# KiCad board PiEEG.kicad_pcb (continued)
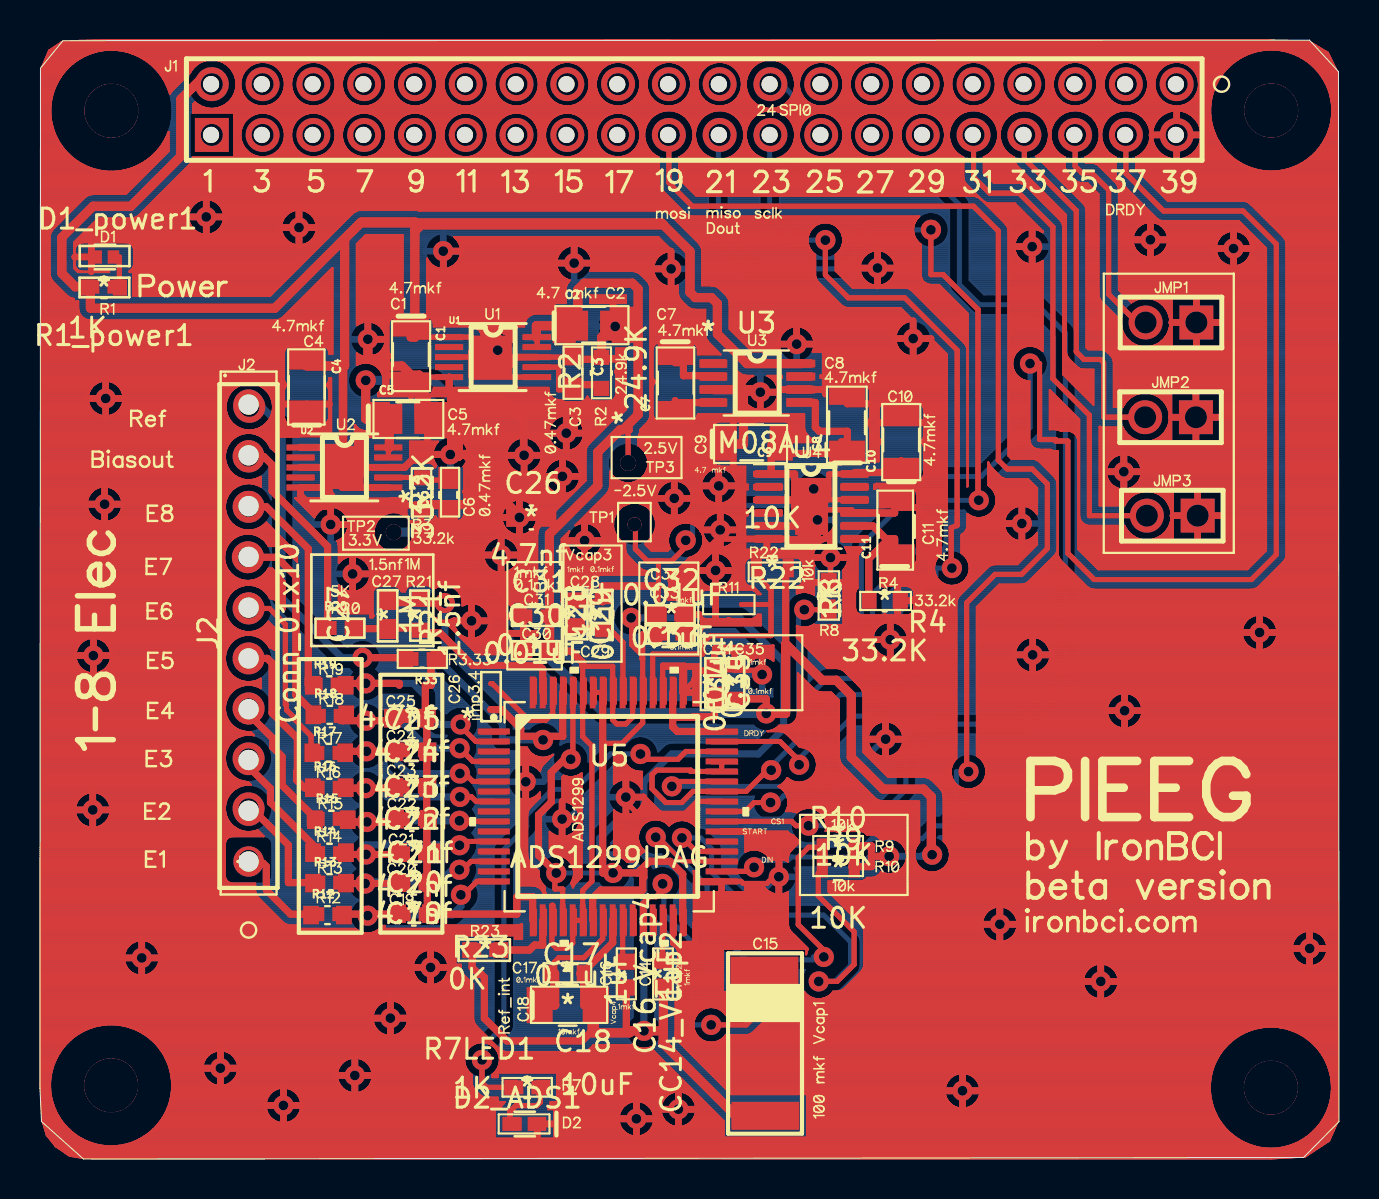
[diagram p0: board, top side]
## Routing (per net, layer and track width the routed paths; a pad name or vN(x,y) marks a point on that pad's centre or on a via; arc(x,y) is an arc through that point) (continued)
 ; 49.32,26.05 49.38,26.07 ; 49.32,26.05 49.38,26.07 ; 49.38,26.07 49.45,26.09 ; 49.38,26.07 49.45,26.09 ; 53.59,40.17 53.61,40.14 ; 53.59,40.17 53.61,40.14 ; 53.61,40.14 53.64,40.11 ; 53.61,40.14 53.64,40.11 ; 29.57,54.67 29.65,54.61 ; 29.57,54.67 29.49,54.73 ; 29.57,54.67 29.65,54.61 ; 29.57,54.67 29.49,54.73 ; 48.75,52.77 48.66,52.82 ; 48.75,52.77 48.66,52.82 ; 48.75,52.77 48.84,52.73 ; 48.75,52.77 48.84,52.73 ; 48.66,52.82 48.58,52.87 ; 48.66,52.82 48.58,52.87 ; 46.74,18.54 46.69,18.53 ; 46.74,18.54 46.69,18.53 ; 46.69,18.53 46.64,18.51 ; 46.69,18.53 46.64,18.51 ; 55.06,34.65 55.08,34.59 ; 55.06,34.65 55.08,34.59 ; 24.78,20.16 24.82,20.14 ; 24.78,20.16 24.82,20.14 ; 28.04,31.34 28.07,31.28 ; 28.04,31.34 28.07,31.28 ; 28.04,31.34 28,31.4 ; 28.04,31.34 28,31.4 ; 28.07,31.28 28.09,31.21 ; 28.07,31.28 28.09,31.21 ; 38.65,30.16 38.66,30.23 ; 38.65,30.16 38.66,30.23 ; 24.73,34.48 24.67,34.44 ; 24.73,34.48 24.67,34.44 ; 21.22,5.05 21.23,5.1 ; 21.22,5.05 21.23,5.1 ; 11.89,41.97 11.85,41.96 ; 11.89,41.97 11.85,41.96 ; 11.89,41.97 11.94,41.99 ; 11.89,41.97 11.94,41.99 ; 11.85,41.96 11.8,41.96 ; 11.85,41.96 11.8,41.96 ; 9.5,35.87 9.44,35.79 ; 9.5,35.87 9.44,35.79 ; 29.3,30.36 29.29,30.4 ; 29.3,30.36 29.31,30.32 ; 29.3,30.36 29.31,30.32 ; 29.3,30.36 29.29,30.4 ; 29.29,30.4 29.28,30.44 ; 29.29,30.4 29.28,30.44 ; 55.3,50.49 55.36,50.57 ; 55.3,50.49 55.36,50.57 ; 25.98,35.49 25.91,35.52 ; 25.98,35.49 26.04,35.47 ; 25.98,35.49 26.04,35.47 ; 25.98,35.49 25.91,35.52 ; 4.21,9.93 4.2,10 ; 4.21,9.93 4.2,10 ; 4.21,9.93 4.22,9.86 ; 4.21,9.93 4.22,9.86 ; 4.2,10 4.2,10.07 ; 4.2,10 4.2,10.07 ; 17.15,39.21 17.14,39.25 ; 17.15,39.21 17.14,39.25 ; 30.7,16.99 30.75,16.99 ; 30.7,16.99 30.75,16.99 ; 30.7,16.99 30.65,16.98 ; 30.7,16.99 30.65,16.98 ; 30.75,16.99 30.8,16.99 ; 30.75,16.99 30.8,16.99 ; 15.85,45.78 15.85,41.72 ; 15.85,45.78 16.29,46.22 ; 15.85,45.78 16.29,46.22 ; 15.85,45.78 15.85,41.72 ; 44.44,40.59 44.4,40.53 ; 44.44,40.59 44.4,40.53 ; 44.44,40.59 44.48,40.65 ; 44.44,40.59 44.48,40.65 ; 44.4,40.53 44.36,40.47 ; 44.4,40.53 44.36,40.47 ; 9.81,4.13 9.78,4.07 ; 9.81,4.13 9.84,4.19 ; 9.81,4.13 9.84,4.19 ; 9.81,4.13 9.78,4.07 ; 9.78,4.07 9.74,4.01 ; 9.78,4.07 9.74,4.01 ; 48,10.85 47.93,10.86 ; 48,10.85 48.07,10.86 ; 48,10.85 47.93,10.86 ; 48,10.85 48.07,10.86 ; 47.93,10.86 47.86,10.87 ; 47.93,10.86 47.86,10.87 ; 41.51,37.06 41.5,37.02 ; 41.51,37.06 41.51,37.1 ; 41.51,37.06 41.51,37.1 ; 41.51,37.06 41.5,37.02 ; 41.5,37.02 41.49,36.98 ; 41.5,37.02 41.49,36.98 ; 1.4,43.15 1.37,43.18 ; 1.4,43.15 1.44,43.12 ; 1.4,43.15 1.37,43.18 ; 1.4,43.15 1.44,43.12 ; 1.37,43.18 1.3,43.24 ; 1.37,43.18 1.3,43.24 ; 35.72,13.7 35.67,13.7 ; 35.72,13.7 35.77,13.7 ; 35.72,13.7 35.77,13.7 ; 35.72,13.7 35.67,13.7 ; 35.67,13.7 35.62,13.71 ; 35.67,13.7 35.62,13.71 ; 48.76,40.27 48.79,40.31 ; 48.76,40.27 48.74,40.23 ; 48.76,40.27 48.74,40.23 ; 48.76,40.27 48.79,40.31 ; 12.56,47.4 12.49,47.37 ; 12.56,47.4 12.49,47.37 ; 1.07,1.91 0.99,2.04 ; 1.07,1.91 0.99,2.04 ; 38.39,45.97 38.39,46.02 ; 38.39,45.97 38.39,46.02 ; 38.39,45.97 38.39,45.92 ; 38.39,45.97 38.39,45.92 ; 49.34,54.88 49.43,54.87 ; 49.34,54.88 49.24,54.89 ; 49.34,54.88 49.43,54.87 ; 49.34,54.88 49.24,54.89 ; 49.43,54.87 49.53,54.85 ; 49.43,54.87 49.53,54.85 ; 53.45,34.86 53.49,34.91 ; 53.45,34.86 53.42,34.79 ; 53.45,34.86 53.42,34.79 ; 53.45,34.86 53.49,34.91 ; 53.49,34.91 53.54,34.97 ; 53.49,34.91 53.54,34.97 ; 48.74,49.92 48.73,49.96 ; 48.74,49.92 48.73,49.96 ; 48.74,49.92 48.75,49.89 ; 48.74,49.92 48.75,49.89 ; 48.73,49.96 48.73,50 ; 48.73,49.96 48.73,50 ; 13.29,45.77 13.22,45.75 ; 13.29,45.77 13.35,45.8 ; 13.29,45.77 13.35,45.8 ; 13.29,45.77 13.22,45.75 ; 13.22,45.75 13.15,45.73 ; 13.22,45.75 13.15,45.73 ; 21.25,27.75 21.32,27.77 ; 21.25,27.75 21.32,27.77 ; 31.3,17.32 32.05,17.32 ; 31.3,17.32 32.05,17.32 ; 54.25,52.47 54.15,52.46 ; 54.25,52.47 54.15,52.46 ; 37.96,17.43 38.01,17.46 ; 37.96,17.43 37.92,17.4 ; 37.96,17.43 38.01,17.46 ; 37.96,17.43 37.92,17.4 ; 38.01,17.46 38.05,17.48 ; 38.01,17.46 38.05,17.48 ; 17.33,51.28 17.33,51.18 ; 17.33,51.28 17.32,51.38 ; 17.33,51.28 17.33,51.18 ; 17.33,51.28 17.32,51.38 ; 17.33,51.18 17.32,51.08 ; 17.33,51.18 17.32,51.08 ; 9.37,20.56 9.41,20.65 ; 9.37,20.56 9.33,20.47 ; 9.37,20.56 9.33,20.47 ; 9.37,20.56 9.41,20.65 ; 9.41,20.65 9.47,20.73 ; 9.41,20.65 9.47,20.73 ; 64.9,1.87 64.93,3.62 ; 64.9,1.87 64.48,0.92 ; 64.9,1.87 64.48,0.92 ; 64.9,1.87 64.93,3.62 ; 64.93,3.62 64.9,52.85 ; 64.93,3.62 64.9,52.85 ; 9.97,18.63 10.06,18.67 ; 9.97,18.63 9.88,18.59 ; 9.97,18.63 10.06,18.67 ; 9.97,18.63 9.88,18.59 ; 10.06,18.67 10.16,18.7 ; 10.06,18.67 10.16,18.7 ; 23.74,40.17 23.71,40.11 ; 23.74,40.17 23.71,40.11 ; 23.33,29.37 23.4,29.39 ; 23.33,29.37 23.4,29.39 ; 57.96,53.92 57.97,53.82 ; 57.96,53.92 57.97,53.82 ; 57.96,53.92 57.94,54.02 ; 57.96,53.92 57.94,54.02 ; 57.97,53.82 57.97,53.72 ; 57.97,53.82 57.97,53.72 ; 8.93,54.96 8.83,54.99 ; 8.93,54.96 8.83,54.99 ; 47.82,32.76 47.81,32.71 ; 47.82,32.76 47.81,32.71 ; 47.82,32.76 47.83,32.81 ; 47.82,32.76 47.83,32.81 ; 47.81,32.71 47.8,32.66 ; 47.81,32.71 47.8,32.66 ; 44.19,34.14 44.16,34.08 ; 44.19,34.14 44.21,34.19 ; 44.19,34.14 44.16,34.08 ; 44.19,34.14 44.21,34.19 ; 44.16,34.08 44.12,34.03 ; 44.16,34.08 44.12,34.03 ; 20.59,26.99 20.64,27.01 ; 20.59,26.99 20.64,27.01 ; 10.84,52.7 10.74,52.73 ; 10.84,52.7 10.74,52.73 ; 25.59,16.29 25.53,16.33 ; 25.59,16.29 25.53,16.33 ; 25.59,16.29 25.64,16.25 ; 25.59,16.29 25.64,16.25 ; 32.55,32.7 32.57,32.77 ; 32.55,32.7 32.57,32.77 ; 37.6,36.61 37.61,36.55 ; 37.6,36.61 37.58,36.67 ; 37.6,36.61 37.58,36.67 ; 37.6,36.61 37.61,36.55 ; 33.26,52.94 33.19,53 ; 33.26,52.94 33.34,52.87 ; 33.26,52.94 33.34,52.87 ; 33.26,52.94 33.19,53 ; 33.19,53 33.12,53.08 ; 33.19,53 33.12,53.08 ; 60.53,45.89 60.55,45.82 ; 60.53,45.89 60.5,45.95 ; 60.53,45.89 60.55,45.82 ; 60.53,45.89 60.5,45.95 ; 60.55,45.82 60.57,45.76 ; 60.55,45.82 60.57,45.76 ; 37.6,50.61 37.55,50.53 ; 37.6,50.61 37.55,50.53 ; 11.26,25.89 11.19,25.96 ; 11.26,25.89 11.19,25.96 ; 39.87,24.56 39.83,24.56 ; 39.87,24.56 39.83,24.56 ; 12.71,3.4 12.76,3.36 ; 12.71,3.4 12.76,3.36 ; 12.71,3.4 12.65,3.44 ; 12.71,3.4 12.65,3.44 ; 12.76,3.36 12.81,3.31 ; 12.76,3.36 12.81,3.31 ; 14.25,54.73 14.33,54.67 ; 14.25,54.73 14.33,54.67 ; 14.25,54.73 14.16,54.78 ; 14.25,54.73 14.16,54.78 ; 62.16,29.83 60.96,28.63 ; 62.16,29.83 60.96,28.63 ; 60.96,28.63 60.93,28.6 ; 60.96,28.63 60.93,28.6 ; 32.67,40.84 32.72,40.82 ; 32.67,40.84 32.72,40.82 ; 32.67,40.84 32.61,40.86 ; 32.67,40.84 32.61,40.86 ; 32.72,40.82 32.77,40.78 ; 32.72,40.82 32.77,40.78 ; 56.12,54.61 56.2,54.68 ; 56.12,54.61 56.2,54.68 ; 26.66,35.49 26.72,35.52 ; 26.66,35.49 26.72,35.52 ; 15.34,3.39 15.27,3.43 ; 15.34,3.39 15.4,3.36 ; 15.34,3.39 15.27,3.43 ; 15.34,3.39 15.4,3.36 ; 15.27,3.43 15.22,3.46 ; 15.27,3.43 15.22,3.46 ; 53.26,54.12 53.29,54.21 ; 53.26,54.12 53.29,54.21 ; 53.26,54.12 53.23,54.02 ; 53.26,54.12 53.23,54.02 ; 53.29,54.21 53.33,54.3 ; 53.29,54.21 53.33,54.3 ; 16.02,54.87 16.12,54.88 ; 16.02,54.87 16.12,54.88 ; 16.12,54.88 16.22,54.89 ; 16.12,54.88 16.22,54.89 ; 64.14,5.21 64.22,5.09 ; 64.14,5.21 64.22,5.09 ; 64.14,5.21 64.06,5.34 ; 64.14,5.21 64.06,5.34 ; 64.22,5.09 64.29,4.95 ; 64.22,5.09 64.29,4.95 ; 54.26,23.32 54.19,23.32 ; 54.26,23.32 54.19,23.32 ; 19.49,50.4 19.41,50.33 ; 19.49,50.4 19.56,50.46 ; 19.49,50.4 19.41,50.33 ; 19.49,50.4 19.56,50.46 ; 19.41,50.33 19.33,50.28 ; 19.41,50.33 19.33,50.28 ; 17.78,42.15 17.91,42.15 ; 17.78,42.15 17.91,42.15 ; 17.78,42.15 17.72,42.14 ; 17.78,42.15 17.72,42.14 ; 17.91,42.15 18.14,42.15 ; 17.91,42.15 18.14,42.15 ; 23.12,2.71 23.18,2.78 ; 23.12,2.71 23.18,2.78 ; 30.55,5.59 30.51,5.57 ; 30.55,5.59 30.59,5.6 ; 30.55,5.59 30.51,5.57 ; 30.55,5.59 30.59,5.6 ; 30.51,5.57 30.46,5.55 ; 30.51,5.57 30.46,5.55 ; 38.2,54.47 38.15,54.39 ; 38.2,54.47 38.15,54.39 ; 8.39,48.02 8.32,48.02 ; 8.39,48.02 8.32,48.02 ; 36.53,25.03 36.59,25 ; 36.53,25.03 36.59,25 ; 18.25,7.57 18.29,7.51 ; 18.25,7.57 18.29,7.51 ; 34.8,53 34.87,53.08 ; 34.8,53 34.87,53.08 ; 22.03,50.4 21.95,50.33 ; 22.03,50.4 22.1,50.46 ; 22.03,50.4 22.1,50.46 ; 22.03,50.4 21.95,50.33 ; 21.95,50.33 21.87,50.28 ; 21.95,50.33 21.87,50.28 ; 31.91,10.33 31.91,9.4 ; 31.91,10.33 31.91,9.4 ; 31.91,9.4 31.9,9.35 ; 31.91,9.4 31.9,9.35 ; 50.9,54.47 50.97,54.54 ; 50.9,54.47 50.97,54.54 ; 50.97,54.54 51.04,54.61 ; 50.97,54.54 51.04,54.61 ; 38.36,20.53 38.4,20.51 ; 38.36,20.53 38.4,20.51 ; 21.22,32.22 21.21,32.18 ; 21.22,32.22 21.21,32.18 ; 21.22,32.22 21.22,32.26 ; 21.22,32.22 21.22,32.26 ; 38.36,18.92 38.31,18.9 ; 38.36,18.92 38.4,18.94 ; 38.36,18.92 38.31,18.9 ; 38.36,18.92 38.4,18.94 ; 38.31,18.9 38.27,18.88 ; 38.31,18.9 38.27,18.88 ; 24.69,19.67 24.75,19.64 ; 24.69,19.67 24.63,19.7 ; 24.69,19.67 24.63,19.7 ; 24.69,19.67 24.75,19.64 ; 60.24,25.88 60.2,25.94 ; 60.24,25.88 60.28,25.82 ; 60.24,25.88 60.28,25.82 ; 60.24,25.88 60.2,25.94 ; 30.99,40.87 31.12,40.87 ; 30.99,40.87 31.12,40.87 ; 31.12,40.87 32.55,40.87 ; 31.12,40.87 32.55,40.87 ; 49.58,31.03 49.52,31 ; 49.58,31.03 49.64,31.07 ; 49.58,31.03 49.52,31 ; 49.58,31.03 49.64,31.07 ; 49.52,31 49.45,30.97 ; 49.52,31 49.45,30.97 ; 11.46,38.28 11.51,38.2 ; 11.46,38.28 11.51,38.2 ; 11.46,38.28 11.4,38.36 ; 11.46,38.28 11.4,38.36 ; 11.51,38.2 11.55,38.11 ; 11.51,38.2 11.55,38.11 ; 49.93,50.21 49.85,50.16 ; 49.93,50.21 49.85,50.16 ; 49.85,50.16 49.84,50.16 ; 49.85,50.16 49.84,50.16 ; 31.41,31.05 31.42,31.1 ; 31.41,31.05 31.42,31.1 ; 31.42,31.1 31.43,31.15 ; 31.42,31.1 31.43,31.15 ; 33.38,28.66 33.44,28.63 ; 33.38,28.66 33.44,28.63 ; 10.26,53.08 10.21,53.16 ; 10.26,53.08 10.21,53.16 ; 10.26,53.08 10.33,53 ; 10.26,53.08 10.33,53 ; 10.21,53.16 10.15,53.25 ; 10.21,53.16 10.15,53.25 ; 19.33,54.73 19.41,54.67 ; 19.33,54.73 19.24,54.78 ; 19.33,54.73 19.24,54.78 ; 19.33,54.73 19.41,54.67 ; 19.41,54.67 19.49,54.61 ; 19.41,54.67 19.49,54.61 ; 47.68,50.49 47.62,50.41 ; 47.68,50.49 47.62,50.41 ; 47.68,50.49 47.74,50.57 ; 47.68,50.49 47.74,50.57 ; 47.62,50.41 47.55,50.34 ; 47.62,50.41 47.55,50.34 ; 64.4,10.53 64.4,10.52 ; 64.4,10.53 64.4,10.52 ; 64.4,10.52 64.39,10.45 ; 64.4,10.52 64.39,10.45 ; 12.12,50.71 12.07,50.62 ; 12.12,50.71 12.16,50.8 ; 12.12,50.71 12.16,50.8 ; 12.12,50.71 12.07,50.62 ; 12.07,50.62 12.01,50.54 ; 12.07,50.62 12.01,50.54 ; 25.49,38.25 25.47,38.29 ; 25.49,38.25 25.51,38.22 ; 25.49,38.25 25.47,38.29 ; 25.49,38.25 25.51,38.22 ; 25.47,38.29 25.46,38.32 ; 25.47,38.29 25.46,38.32 ; 50.88,30.42 50.87,30.38 ; 50.88,30.42 50.89,30.46 ; 50.88,30.42 50.89,30.46 ; 50.88,30.42 50.87,30.38 ; 50.87,30.38 50.86,30.34 ; 50.87,30.38 50.86,30.34 ; 30.22,51.21 30.22,51.31 ; 30.22,51.21 30.23,51.11 ; 30.22,51.21 30.23,51.11 ; 30.22,51.21 30.22,51.31 ; 30.22,51.31 30.23,51.41 ; 30.22,51.31 30.23,51.41 ; 31.49,28.58 31.48,28.54 ; 31.49,28.58 31.48,28.54 ; 51.36,40.19 51.35,40.23 ; 51.36,40.19 51.38,40.15 ; 51.36,40.19 51.38,40.15 ; 51.36,40.19 51.35,40.23 ; 51.35,40.23 51.33,40.27 ; 51.35,40.23 51.33,40.27 ; 53.33,54.3 53.39,54.39 ; 53.33,54.3 53.39,54.39 ; 62.35,45.81 62.35,45.72 ; 62.35,45.81 62.35,45.72 ; 62.35,45.81 62.34,45.85 ; 62.35,45.81 62.34,45.85 ; 4.12,32.76 4.12,32.75 ; 4.12,32.76 4.12,32.75 ; 4.12,32.76 4.12,32.83 ; 4.12,32.76 4.12,32.83 ; 25.05,19.56 25.07,19.6 ; 25.05,19.56 25.07,19.6 ; 18.28,6.57 18.24,6.52 ; 18.28,6.57 18.32,6.63 ; 18.28,6.57 18.32,6.63 ; 18.28,6.57 18.24,6.52 ; 11.29,36.78 11.22,36.71 ; 11.29,36.78 11.22,36.71 ; 11.22,36.71 11.14,36.65 ; 11.22,36.71 11.14,36.65 ; 42.59,25.09 42.66,25.1 ; 42.59,25.09 42.66,25.1 ; 62.78,10.02 62.82,9.96 ; 62.78,10.02 62.82,9.96 ; 29.25,14.98 29.22,15.01 ; 29.25,14.98 29.22,15.01 ; 15.39,28.41 15.32,28.44 ; 15.39,28.41 15.46,28.4 ; 15.39,28.41 15.32,28.44 ; 15.39,28.41 15.46,28.4 ; 15.32,28.44 15.26,28.46 ; 15.32,28.44 15.26,28.46 ; 49.14,38.99 49.09,39.02 ; 49.14,38.99 49.18,38.97 ; 49.14,38.99 49.18,38.97 ; 49.14,38.99 49.09,39.02 ; 26.34,43.73 26.36,43.77 ; 26.34,43.73 26.36,43.77 ; 26.36,43.77 26.38,43.82 ; 26.36,43.77 26.38,43.82 ; 11.79,50.33 11.71,50.28 ; 11.79,50.33 11.71,50.28 ; 11.79,50.33 11.87,50.4 ; 11.79,50.33 11.87,50.4 ; 42.33,14.27 42.28,14.28 ; 42.33,14.27 42.28,14.28 ; 33.64,35 33.64,35.12 ; 33.64,35 33.64,35.12 ; 33.64,35 33.65,34.96 ; 33.64,35 33.65,34.96 ; 33.64,35.12 33.64,35.62 33.64,35.12 ; 47.3,32.13 47.25,32.12 ; 47.3,32.13 47.25,32.12 ; 47.3,32.13 47.34,32.16 ; 47.3,32.13 47.34,32.16 ; 22.9,2.85 22.9,3.07 ; 22.9,2.85 22.9,3.07 ; 22.9,2.85 23.25,2.85 ; 22.9,2.85 23.25,2.85 ; 22.9,3.07 22.34,3.07 ; 22.9,3.07 22.34,3.07 ; 43.39,41.89 43.45,41.91 ; 43.39,41.89 43.32,41.87 ; 43.39,41.89 43.45,41.91 ; 43.39,41.89 43.32,41.87 ; 43.45,41.91 43.52,41.93 ; 43.45,41.91 43.52,41.93 ; 36.19,15.35 36.23,15.32 ; 36.19,15.35 36.15,15.38 ; 36.19,15.35 36.15,15.38 ; 36.19,15.35 36.23,15.32 ; 36.23,15.32 36.27,15.29 ; 36.23,15.32 36.27,15.29 ; 55.84,38.21 55.93,38.16 ; 55.84,38.21 55.75,38.25 ; 55.84,38.21 55.93,38.16 ; 55.84,38.21 55.75,38.25 ; 55.93,38.16 56.01,38.1 ; 55.93,38.16 56.01,38.1 ; 15.74,35.51 15.74,35.47 ; 15.74,35.51 15.75,35.55 ; 15.74,35.51 15.74,35.47 ; 15.74,35.51 15.75,35.55 ; 15.74,35.47 15.72,35.42 ; 15.74,35.47 15.72,35.42 ; 20.86,31.91 20.9,31.91 ; 20.86,31.91 20.9,31.91 ; 14.12,40.71 14.18,40.7 ; 14.12,40.71 14.18,40.7 ; 38.17,20.6 38.22,20.58 ; 38.17,20.6 38.22,20.58 ; 48.99,46.27 49.04,46.32 ; 48.99,46.27 48.94,46.22 ; 48.99,46.27 49.04,46.32 ; 48.99,46.27 48.94,46.22 ; 49.04,46.32 49.09,46.36 ; 49.04,46.32 49.09,46.36 ; 58.83,45.35 58.82,45.42 ; 58.83,45.35 58.85,45.28 ; 58.83,45.35 58.85,45.28 ; 58.83,45.35 58.82,45.42 ; 49.23,48.76 49.27,48.73 ; 49.23,48.76 49.27,48.73 ; 49.23,48.76 49.2,48.78 ; 49.23,48.76 49.2,48.78 ; 49.27,48.73 49.3,48.71 ; 49.27,48.73 49.3,48.71 ; 13.72,47.06 13.75,47 ; 13.72,47.06 13.68,47.12 ; 13.72,47.06 13.68,47.12 ; 13.72,47.06 13.75,47 ; 13.75,47 13.78,46.94 ; 13.75,47 13.78,46.94 ; 12.62,53.43 12.59,53.53 ; 12.62,53.43 12.65,53.34 ; 12.62,53.43 12.65,53.34 ; 12.62,53.43 12.59,53.53 ; 12.59,53.53 12.57,53.62 ; 12.59,53.53 12.57,53.62 ; 5.94,10.33 5.96,10.26 ; 5.94,10.33 5.96,10.26 ; 5.94,10.33 5.92,10.4 ; 5.94,10.33 5.92,10.4 ; 5.96,10.26 5.97,10.2 ; 5.96,10.26 5.97,10.2 ; 34.2,25.25 34.24,25.27 ; 34.2,25.25 34.24,25.27 ; 24.78,13.67 24.82,13.66 ; 24.78,13.67 24.74,13.68 ; 24.78,13.67 24.74,13.68 ; 24.78,13.67 24.82,13.66 ; 24.82,13.66 24.86,13.64 ; 24.82,13.66 24.86,13.64 ; 47.71,32.48 47.68,32.44 ; 47.71,32.48 47.68,32.44 ; 47.68,32.44 47.65,32.4 ; 47.68,32.44 47.65,32.4 ; 25.44,38.4 25.43,38.44 ; 25.44,38.4 25.43,38.44 ; 25.44,38.4 25.45,38.36 ; 25.44,38.4 25.45,38.36 ; 30.41,36.88 30.38,36.85 ; 30.41,36.88 30.38,36.85 ; 18.42,7.11 18.42,7.05 ; 18.42,7.11 18.42,7.05 ; 38.85,19.88 38.86,19.83 ; 38.85,19.88 38.86,19.83 ; 38.85,19.88 38.84,19.93 ; 38.85,19.88 38.84,19.93 ; 45.18,14.53 45.22,14.56 ; 45.18,14.53 45.22,14.56 ; 53.8,49.36 53.8,50.11 ; 53.8,49.36 53.8,50.11 ; 53.8,50.11 53.73,50.15 ; 53.8,50.11 53.73,50.15 ; 51.91,36.04 51.92,36 ; 51.91,36.04 51.92,36 ; 51.5,36.43 51.54,36.42 ; 51.5,36.43 51.54,36.42 ; 51.54,36.42 51.57,36.41 ; 51.54,36.42 51.57,36.41 ; 23.88,19.66 23.88,20.61 23.88,19.66 ; 23.88,19.66 23.95,19.69 ; 23.88,19.66 23.95,19.69 ; 55.77,51.82 55.81,51.89 ; 55.77,51.82 55.73,51.75 ; 55.77,51.82 55.81,51.89 ; 55.77,51.82 55.73,51.75 ; 55.81,51.89 55.86,51.96 ; 55.81,51.89 55.86,51.96 ; 17.54,38.3 17.51,38.33 ; 17.54,38.3 17.51,38.33 ; 17.51,38.33 17.49,38.36 ; 17.51,38.33 17.49,38.36 ; 22.86,31.09 22.93,31.1 ; 22.86,31.09 22.93,31.1 ; 22.93,31.1 23,31.11 ; 22.93,31.1 23,31.11 ; 46.39,31.69 46.39,31.65 ; 46.39,31.69 46.39,31.65 ; 46.39,31.65 46.38,31.61 ; 46.39,31.65 46.38,31.61 ; 28.81,39.28 28.79,39.33 ; 28.81,39.28 28.79,39.33 ; 39.8,30.94 39.8,31.14 ; 39.8,30.94 39.8,31.14 ; 29.37,2.78 29.43,2.81 ; 29.37,2.78 29.31,2.74 ; 29.37,2.78 29.31,2.74 ; 29.37,2.78 29.43,2.81 ; 40.43,30.02 40.42,29.95 ; 40.43,30.02 40.42,29.95 ; 40.43,30.02 40.43,30.09 ; 40.43,30.02 40.43,30.09 ; 2.36,16.62 2.29,16.64 ; 2.36,16.62 2.29,16.64 ; 2.36,16.62 2.42,16.6 ; 2.36,16.62 2.42,16.6 ; 2.29,16.64 2.23,16.67 ; 2.29,16.64 2.23,16.67 ; 43.9,45.89 43.87,45.93 ; 43.9,45.89 43.94,45.86 ; 43.9,45.89 43.87,45.93 ; 43.9,45.89 43.94,45.86 ; 43.87,45.93 43.84,45.97 ; 43.87,45.93 43.84,45.97 ; 10.29,16.37 10.2,16.38 ; 10.29,16.37 10.2,16.38 ; 43.87,15.7 43.89,15.74 ; 43.87,15.7 43.84,15.65 ; 43.87,15.7 43.89,15.74 ; 43.87,15.7 43.84,15.65 ; 43.89,15.74 43.92,15.78 ; 43.89,15.74 43.92,15.78 ; 31.78,43.67 31.71,43.65 ; 31.78,43.67 31.71,43.65 ; 31.71,43.65 31.64,43.64 ; 31.71,43.65 31.64,43.64 ; 6.27,53.87 6.2,54 ; 6.27,53.87 6.2,54 ; 4.08,32.48 4.05,32.41 ; 4.08,32.48 4.05,32.41 ; 28.12,31.07 28.13,31 ; 28.12,31.07 28.11,31.14 ; 28.12,31.07 28.13,31 ; 28.12,31.07 28.11,31.14 ; 28.13,31 28.13,30.94 ; 28.13,31 28.13,30.94 ; 10.48,50.33 10.4,50.4 ; 10.48,50.33 10.56,50.28 ; 10.48,50.33 10.4,50.4 ; 10.48,50.33 10.56,50.28 ; 10.4,50.4 10.33,50.46 ; 10.4,50.4 10.33,50.46 ; 58.05,51.53 58.07,51.46 ; 58.05,51.53 58.03,51.61 ; 58.05,51.53 58.03,51.61 ; 58.05,51.53 58.07,51.46 ; 58.07,51.46 58.08,51.38 ; 58.07,51.46 58.08,51.38 ; 12.01,50.54 11.94,50.46 ; 12.01,50.54 11.94,50.46 ; 42.27,52.13 42.35,52.07 ; 42.27,52.13 42.35,52.07 ; 40.1,50.8 40.06,50.71 ; 40.1,50.8 40.13,50.89 ; 40.1,50.8 40.06,50.71 ; 40.1,50.8 40.13,50.89 ; 40.06,50.71 40.01,50.62 ; 40.06,50.71 40.01,50.62 ; 43.84,15.65 43.82,15.61 ; 43.84,15.65 43.82,15.61 ; 27.39,31.82 27.45,31.81 ; 27.39,31.82 27.45,31.81 ; 27.45,31.81 27.52,31.79 ; 27.45,31.81 27.52,31.79 ; 24.96,31.59 24.99,31.63 ; 24.96,31.59 24.94,31.55 ; 24.96,31.59 24.99,31.63 ; 24.96,31.59 24.94,31.55 ; 24.99,31.63 25.02,31.67 ; 24.99,31.63 25.02,31.67 ; 35.66,25 35.72,25.04 ; 35.66,25 35.6,24.97 ; 35.66,25 35.6,24.97 ; 35.66,25 35.72,25.04 ; 35.72,25.04 35.78,25.07 ; 35.72,25.04 35.78,25.07 ; 47.18,52.77 47.09,52.73 ; 47.18,52.77 47.27,52.82 ; 47.18,52.77 47.09,52.73 ; 47.18,52.77 47.27,52.82 ; 47.09,52.73 46.99,52.7 ; 47.09,52.73 46.99,52.7 ; 37.37,17.49 37.35,17.45 ; 37.37,17.49 37.35,17.45 ; 37.35,17.45 37.32,17.4 ; 37.35,17.45 37.32,17.4 ; 53.78,8.35 53.73,8.3 ; 53.78,8.35 53.73,8.3 ; 17.02,54.54 17.09,54.47 ; 17.02,54.54 17.09,54.47 ; 17.02,54.54 16.95,54.61 ; 17.02,54.54 16.95,54.61 ; 17.09,54.47 17.15,54.39 ; 17.09,54.47 17.15,54.39 ; 42.13,26.78 42.19,26.81 ; 42.13,26.78 42.07,26.75 ; 42.13,26.78 42.07,26.75 ; 42.13,26.78 42.19,26.81 ; 42.19,26.81 42.26,26.83 ; 42.19,26.81 42.26,26.83 ; 27.99,51.85 28.04,51.93 ; 27.99,51.85 28.04,51.93 ; 21.41,35.1 21.39,35.03 ; 21.41,35.1 21.42,35.17 ; 21.41,35.1 21.42,35.17 ; 21.41,35.1 21.39,35.03 ; 54.67,45.79 54.66,45.86 ; 54.67,45.79 54.69,45.72 ; 54.67,45.79 54.69,45.72 ; 54.67,45.79 54.66,45.86 ; 54.66,45.86 54.65,45.93 ; 54.66,45.86 54.65,45.93 ; 3.68,37.25 3.62,37.22 ; 3.68,37.25 3.62,37.22 ; 3.68,37.25 3.74,37.28 ; 3.68,37.25 3.74,37.28 ; 3.62,37.22 3.55,37.2 ; 3.62,37.22 3.55,37.2 ; 40.13,42.67 40.1,42.7 ; 40.13,42.67 40.16,42.65 ; 40.13,42.67 40.16,42.65 ; 40.13,42.67 40.1,42.7 ; 40.1,42.7 40.03,42.76 ; 40.1,42.7 40.03,42.76 ; 7.54,54.41 7.6,54.5 ; 7.54,54.41 7.5,54.34 ; 7.54,54.41 7.6,54.5 ; 7.54,54.41 7.5,54.34 ; 7.6,54.5 7.66,54.58 ; 7.6,54.5 7.66,54.58 ; 23.54,54.85 23.64,54.87 ; 23.54,54.85 23.44,54.82 ; 23.54,54.85 23.44,54.82 ; 23.54,54.85 23.64,54.87 ; 25.32,53.43 25.29,53.53 ; 25.32,53.43 25.29,53.53 ; 25.32,53.43 25.35,53.34 ; 25.32,53.43 25.35,53.34 ; 25.29,53.53 25.27,53.62 ; 25.29,53.53 25.27,53.62 ; 24.44,20.45 24.41,20.49 ; 24.44,20.45 24.47,20.41 ; 24.44,20.45 24.41,20.49 ; 24.44,20.45 24.47,20.41 ; 24.41,20.49 24.38,20.53 ; 24.41,20.49 24.38,20.53 ; 36.12,13.8 36.06,13.77 ; 36.12,13.8 36.06,13.77 ; 36.06,13.77 36.01,13.75 ; 36.06,13.77 36.01,13.75 ; 31.05,2.36 31.04,2.43 ; 31.05,2.36 31.04,2.43 ; 31.05,2.36 31.06,2.29 ; 31.05,2.36 31.06,2.29 ; 31.04,2.43 31.04,2.5 ; 31.04,2.43 31.04,2.5 ; 53.37,34.67 53.39,34.73 ; 53.37,34.67 53.35,34.6 ; 53.37,34.67 53.39,34.73 ; 53.37,34.67 53.35,34.6 ; 53.39,34.73 53.42,34.79 ; 53.39,34.73 53.42,34.79 ; 17.67,54.02 17.7,54.12 ; 17.67,54.02 17.7,54.12 ; 17.67,54.02 17.65,53.92 ; 17.67,54.02 17.65,53.92 ; 17.7,54.12 17.73,54.21 ; 17.7,54.12 17.73,54.21 ; 30.84,32.92 30.84,32.99 ; 30.84,32.92 30.86,32.85 ; 30.84,32.92 30.84,32.99 ; 30.84,32.92 30.86,32.85 